# KiCad board pq-register.kicad_pcb (continued)
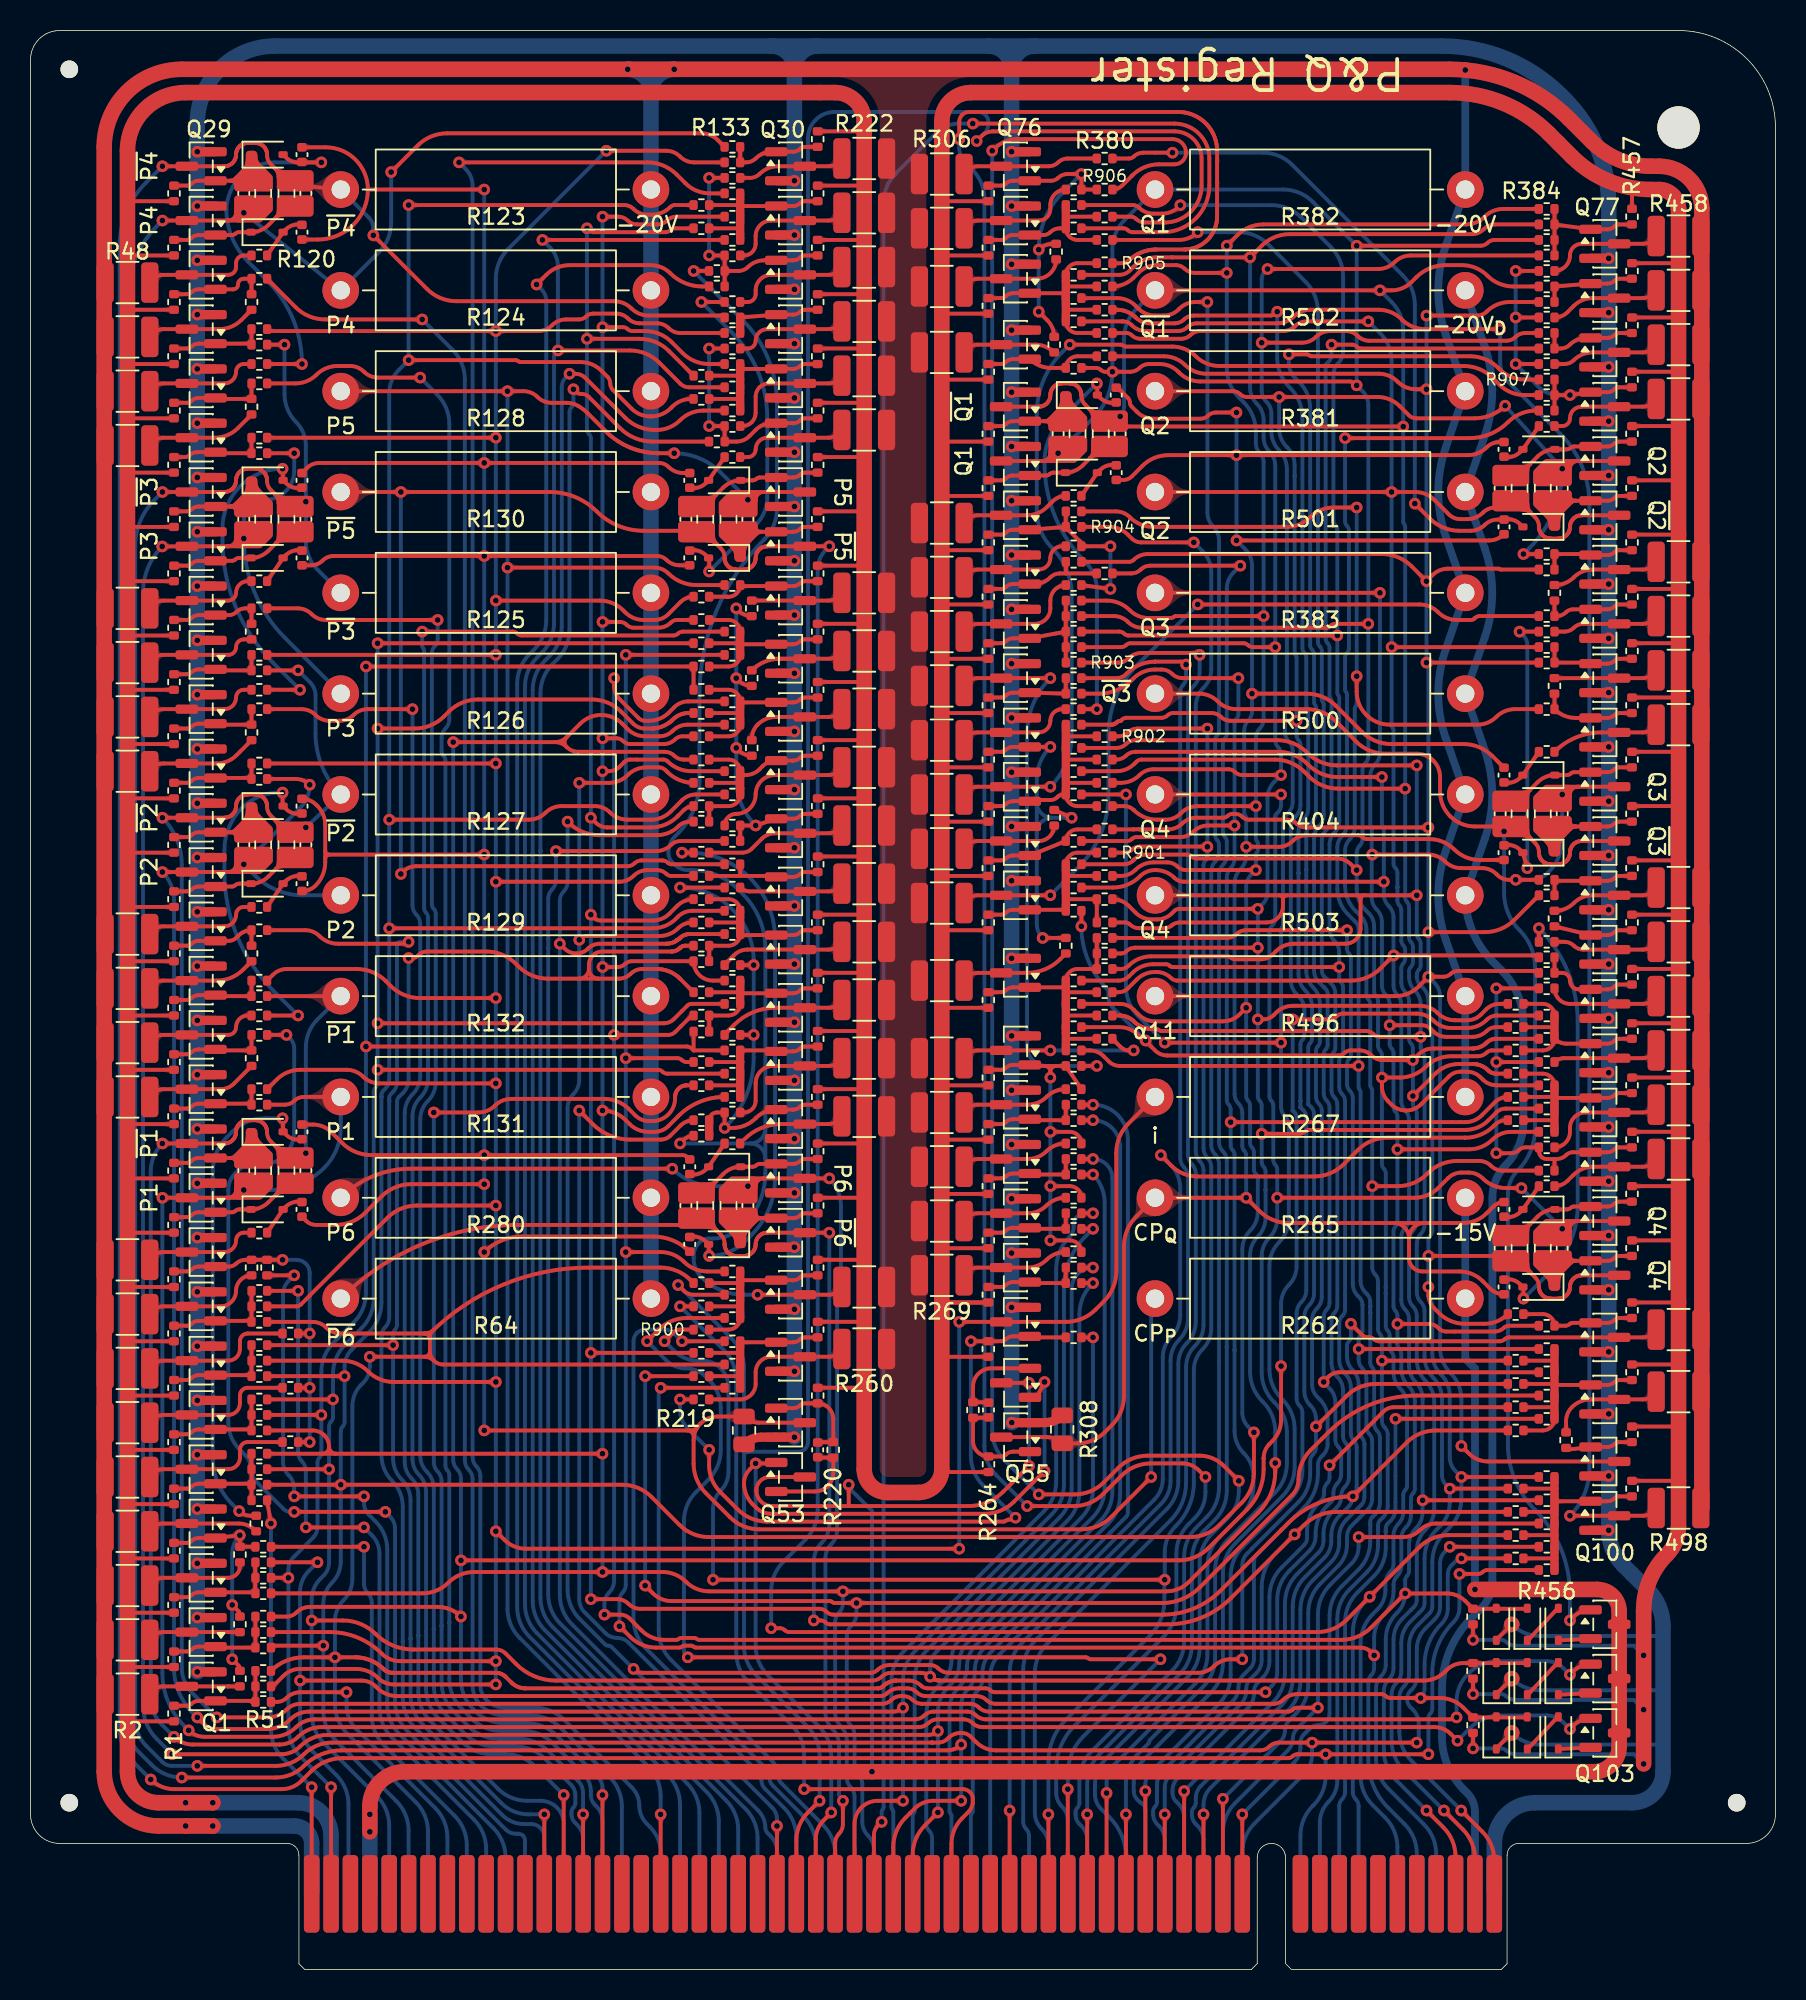
[diagram p0: board, top side]
## Routing (per net, layer and track width the routed paths; a pad name or vN(x,y) marks a point on that pad's centre or on a via; arc(x,y) is an arc through that point) (continued)
~{P4c}: length 116.6
  Top w0.254: R114.1 17.35,103.89 arc(18.1,104.03) 18.73,104.46 arc(19.37,104.88) 20.11,105.03 20.92,105.03 arc(21.42,104.93) 21.84,104.65 arc(22.27,104.37) 22.76,104.27 v1(25.53,104.27)
  Bottom w0.254: 37.47,4.95 37.47,9.75 arc(37.37,10.25) 37.08,10.67 36.96,10.79 arc(36.77,11.08) 36.7,11.41 36.7,11.68 arc(36.59,12.27) 36.25,12.77 34.2,14.82 arc(33.32,15.41) 32.27,15.62 30.83,15.62 arc(29.79,15.83) 28.91,16.42 28.23,17.1 arc(27.64,17.98) 27.43,19.02 27.43,22.73 27.43,32.39 arc(27.4,32.55) 27.3,32.69 arc(27.21,32.83) 27.18,33 27.18,79.2 arc(27.14,79.36) 27.05,79.5 arc(26.96,79.64) 26.92,79.81 26.92,80.67 arc(26.99,81) 27.18,81.28 arc(27.37,81.56) 27.43,81.89 27.43,101.24 arc(27.22,102.28) 26.64,103.16 v1(25.53,104.27)
~{P4d}: length 121.3
  Top w0.254: R119.1 17.37,108.87 arc(18.25,108.28) 19.29,108.08 v1(25.65,108.08)
  Bottom w0.254: 38.73,4.95 38.73,10.68 arc(38.53,11.73) 37.94,12.61 34.71,15.84 arc(33.82,16.43) 32.78,16.64 31.05,16.64 arc(30.22,16.8) 29.51,17.27 arc(29.1,17.89) 28.96,18.62 28.96,32.12 arc(28.89,32.45) 28.7,32.73 arc(28.51,33.01) 28.45,33.35 28.45,104.16 arc(28.24,105.2) 27.65,106.08 v1(25.65,108.08)
~{P4}: length 261.7
  Top w0.254: 16,117.98 15.73,118.25 arc(15.56,118.52) 15.49,118.83 15.49,118.85 arc(15.49,118.87) 15.49,118.89 arc(15.49,118.91) 15.49,118.92 15.49,118.94 arc(15.49,118.98) 15.48,119.01 arc(15.47,119.05) 15.46,119.08 arc(15.45,119.11) 15.44,119.15 arc(15.43,119.18) 15.41,119.21 arc(15.4,119.24) 15.38,119.27 arc(15.36,119.3) 15.34,119.33 arc(15.32,119.36) 15.29,119.39 arc(15.27,119.41) 15.25,119.43 arc(15.22,119.46) 15.19,119.48 arc(15.16,119.5) 15.13,119.52 arc(15.1,119.54) 15.07,119.55 arc(15.04,119.57) 15.01,119.58 arc(14.97,119.59) 14.94,119.6 arc(14.91,119.61) 14.87,119.62 arc(14.84,119.63) 14.8,119.63 14.78,119.63 arc(14.77,119.63) 14.75,119.63 arc(14.73,119.63) 14.71,119.63 14.24,119.63 arc(14.22,119.63) 14.21,119.63 arc(14.19,119.63) 14.17,119.63 14.15,119.63 arc(14.12,119.63) 14.08,119.62 arc(14.05,119.61) 14.02,119.6 arc(13.98,119.59) 13.95,119.58 arc(13.92,119.57) 13.88,119.55 arc(13.85,119.54) 13.82,119.52 arc(13.79,119.5) 13.76,119.48 arc(13.74,119.46) 13.71,119.43 arc(13.69,119.41) 13.66,119.39 arc(13.64,119.36) 13.62,119.33 arc(13.6,119.3) 13.58,119.27 arc(13.56,119.24) 13.54,119.21 arc(13.53,119.18) 13.51,119.15 arc(13.5,119.11) 13.49,119.08 arc(13.48,119.05) 13.48,119.01 arc(13.47,118.98) 13.47,118.94 arc(13.46,118.91) 13.46,118.87 arc(13.46,118.84) 13.46,118.8 arc(13.45,118.77) 13.45,118.73 arc(13.44,118.7) 13.43,118.66 arc(13.42,118.63) 13.41,118.6 arc(13.4,118.56) 13.38,118.53 arc(13.37,118.5) 13.35,118.47 arc(13.33,118.44) 13.31,118.41 arc(13.29,118.39) 13.26,118.36 arc(13.24,118.33) 13.21,118.31 arc(13.19,118.29) 13.16,118.26 arc(13.13,118.24) 13.1,118.22 arc(13.07,118.21) 13.04,118.19 arc(13.01,118.18) 12.98,118.16 arc(12.94,118.15) 12.91,118.14 arc(12.87,118.13) 12.84,118.12 arc(12.81,118.12) 12.77,118.11 12.75,118.11 arc(12.74,118.11) 12.72,118.11 arc(12.7,118.11) 12.68,118.11 Q29.3 v1(8.64,118.11) ; 16,117.98 16.64,117.35 ; 16,117.98 arc(16.19,117.7) 16.26,117.37 16.26,117.35 ; 16,117.98 arc(16.28,117.8) 16.62,117.73 ; R456.1 95.43,26.16 arc(95.26,26.13) 95.12,26.03 arc(94.98,25.94) 94.82,25.91 v1(93.6,25.91) ; R145.1 45.4,108.27 arc(45.33,108.31) 45.25,108.33 40.49,108.33 arc(39.88,108.45) 39.36,108.8 arc(38.84,109.15) 38.22,109.27 27.9,109.27 arc(26.86,109.48) 25.97,110.07 v1(22.45,113.59) ; v1(91.57,14.1) v1(84.84,14.1) 82.98,14.1 arc(82.82,14.06) 82.68,13.97 arc(82.54,13.88) 82.37,13.84 20.45,13.84 arc(19.33,13.62) 18.38,12.99 17.75,12.35 arc(17.15,11.95) 16.44,11.81 9.41,11.81 arc(8.58,11.98) v1(7.87,12.45) ; R123.2 C13.2
  Bottom w0.254: v1(91.57,14.1) 91.57,16.46 arc(91.6,16.62) 91.69,16.76 arc(91.79,16.9) 91.82,17.07 91.82,19.41 arc(92.18,21.21) 93.2,22.75 arc(93.5,23.18) 93.6,23.7 v1(93.6,25.91) ; v1(84.84,14.1) 84.84,12.68 arc(84.63,11.64) 84.04,10.76 83.98,10.7 arc(83.39,9.82) 83.18,8.78 83.18,4.95 ; v1(22.45,113.59) 22.45,114.02 arc(22.37,114.42) 22.15,114.76 R123.2 ; v1(8.64,118.11) 7.55,117.02 arc(6.29,115.13) 5.84,112.9 5.84,15.75 arc(6.08,14.57) 6.74,13.58 v1(7.87,12.45)
~{P5c}: length 122.5
  Top w0.254: R143.1 43.99,110.24 arc(42.87,110.46) 41.91,111.1 arc(41.32,111.49) 40.62,111.63 35.32,111.63 arc(34.49,111.47) 33.78,111 v1(33.15,110.36)
  Bottom w0.254: v1(33.15,110.36) 33.46,110.05 arc(33.7,109.69) 33.78,109.28 33.78,88.38 arc(33.57,87.33) 32.99,86.45 32.67,86.14 arc(32.08,85.26) 31.88,84.22 31.88,74.55 ; 31.88,74.55 31.88,74.55 ; 31.88,74.55 31.88,23.73 arc(32.08,22.69) 32.67,21.81 41.75,12.73 arc(42.34,11.85) 42.55,10.81 42.55,4.95 ; 31.88,74.55 31.88,74.55 ; 31.88,74.55 arc(31.88,74.55) 31.88,74.55 ; 31.88,74.55 arc(31.88,74.55) 31.88,74.55
~{P5d}: length 114.4
  Top w0.254: v1(35.56,103.51) 35.72,103.35 arc(35.89,103.23) 36.1,103.19 36.13,103.19 arc(36.36,103.14) 36.56,103.01 38.61,100.96 arc(39.59,100.31) 40.75,100.08 R154.1
  Bottom w0.254: 33.4,73.28 33.4,83.59 arc(33.61,84.63) 34.2,85.51 34.51,85.82 arc(35.1,86.7) 35.31,87.74 35.31,102.02 arc(35.34,102.18) 35.43,102.32 arc(35.53,102.47) 35.56,102.63 v1(35.56,103.51) ; 33.4,73.28 33.4,73.28 ; 33.4,73.28 33.4,73.28 ; 33.4,73.28 arc(33.4,73.28) 33.4,73.28 ; 33.4,73.28 arc(33.4,73.28) 33.4,73.28 ; 33.4,73.28 33.4,24.36 arc(33.61,23.32) 34.2,22.44 45.56,11.08 arc(46.15,10.19) 46.36,9.15 46.36,4.95
~{P5}: length 224.8
  Top w0.254: v1(52.32,93.22) Q37.3 48.28,93.22 arc(48.26,93.22) 48.24,93.22 arc(48.22,93.22) 48.21,93.22 48.19,93.21 arc(48.15,93.21) 48.12,93.2 arc(48.09,93.2) 48.05,93.19 arc(48.02,93.18) 47.98,93.17 arc(47.95,93.15) 47.92,93.14 arc(47.89,93.12) 47.86,93.1 arc(47.83,93.08) 47.8,93.06 arc(47.77,93.04) 47.75,93.02 arc(47.72,92.99) 47.7,92.97 arc(47.67,92.94) 47.65,92.92 arc(47.63,92.89) 47.61,92.86 arc(47.59,92.83) 47.58,92.8 arc(47.56,92.76) 47.55,92.73 arc(47.54,92.7) 47.53,92.66 arc(47.52,92.63) 47.51,92.6 arc(47.51,92.56) 47.5,92.53 arc(47.5,92.49) 47.5,92.46 arc(47.5,92.42) 47.49,92.39 arc(47.49,92.35) 47.48,92.32 arc(47.48,92.28) 47.47,92.25 arc(47.46,92.21) 47.45,92.18 arc(47.43,92.15) 47.42,92.12 arc(47.4,92.09) 47.38,92.06 arc(47.36,92.03) 47.34,92 arc(47.32,91.97) 47.3,91.94 arc(47.27,91.92) 47.25,91.89 arc(47.22,91.87) 47.2,91.85 arc(47.17,91.83) 47.14,91.81 arc(47.11,91.79) 47.08,91.77 arc(47.04,91.76) 47.01,91.75 arc(46.98,91.73) 46.94,91.72 arc(46.91,91.71) 46.88,91.71 arc(46.84,91.7) 46.81,91.7 46.79,91.7 arc(46.77,91.69) 46.75,91.69 arc(46.74,91.69) 46.72,91.69 46.25,91.69 arc(46.23,91.69) 46.21,91.69 arc(46.19,91.69) 46.18,91.7 46.16,91.7 arc(46.12,91.7) 46.09,91.71 arc(46.05,91.71) 46.02,91.72 arc(45.99,91.73) 45.95,91.75 arc(45.92,91.76) 45.89,91.77 arc(45.86,91.79) 45.83,91.81 arc(45.8,91.83) 45.77,91.85 arc(45.74,91.87) 45.71,91.89 arc(45.69,91.92) 45.67,91.94 arc(45.64,91.97) 45.62,92 arc(45.6,92.03) 45.58,92.06 arc(45.56,92.09) 45.55,92.12 arc(45.53,92.15) 45.52,92.18 arc(45.51,92.21) 45.5,92.25 arc(45.49,92.28) 45.48,92.32 arc(45.47,92.35) 45.47,92.39 45.47,92.4 arc(45.47,92.42) 45.47,92.44 arc(45.47,92.46) 45.47,92.47 45.47,92.5 arc(45.4,92.81) 45.23,93.08 44.96,93.34 ; 44.7,93.98 44.7,93.96 arc(44.77,93.63) 44.96,93.34 ; R453.1 92.88,28.45 arc(91.84,28.24) 90.96,27.65 v1(87.72,24.41) 86.2,22.89 arc(85.32,22.31) 84.28,22.1 49.71,22.1 arc(49.54,22.13) 49.4,22.22 arc(49.26,22.32) 49.1,22.35 v1(48.51,22.35) ; C17.2 42.93,93.85 ; 42.67,94.23 40.15,94.23 arc(38.49,94.56) 37.08,95.5 arc(35.68,96.44) 34.02,96.77 v1(24.26,96.77) R130.2 ; 44.96,93.34 44.88,93.42 ; 44.96,93.34 44.32,93.98 ; 44.96,93.34 arc(44.68,93.53) 44.34,93.6 44.32,93.6 ; R182.1 41.98,72.39 arc(41.86,72.41) 41.75,72.49 arc(41.58,72.6) 41.37,72.64 40.03,72.64 arc(39.78,72.59) 39.57,72.45 arc(39.35,72.31) 39.11,72.26 25.25,72.26 arc(24.8,72.17) 24.42,71.92 v1(24.26,71.75) 24.32,71.75 arc(24.38,71.77) 24.43,71.8
  Bottom w0.254: v1(48.51,22.35) 48.51,24.78 arc(48.72,25.82) 49.31,26.7 50.77,28.16 arc(51.35,29.04) 51.56,30.08 51.56,91.68 arc(51.7,92.4) 52.11,93 v1(52.32,93.22) ; 87.7,24.39 87.72,24.41 v1(87.72,24.41) 87.49,24.19 arc(86.84,23.21) 86.61,22.06 86.61,11.62 arc(86.66,11.37) 86.8,11.16 arc(86.95,10.95) 86.99,10.7 86.99,4.95 ; v1(24.26,96.77) v1(24.26,71.75)
~{P6c}: length 85.1
  Top w0.254: R180.1 42.57,73.91 arc(42.24,73.85) 41.96,73.66 arc(41.51,73.36) 40.98,73.25 v1(34.42,73.25)
  Bottom w0.254: 33.91,67.5 33.91,67.5 ; 33.91,67.5 33.91,66.87 ; 33.91,67.5 33.91,67.5 ; 33.91,67.5 arc(33.91,67.5) 33.91,67.5 ; 33.91,67.5 arc(33.91,67.5) 33.91,67.5 ; 33.91,67.5 33.91,70.13 arc(33.98,70.46) 34.16,70.74 arc(34.35,71.02) 34.42,71.35 v1(34.42,73.25) ; 33.91,66.87 33.91,66.87 ; 33.91,66.87 33.91,66.87 ; 33.91,66.87 33.91,24.57 arc(34.12,23.53) 34.71,22.65 46.83,10.52 arc(47.42,9.64) 47.62,8.6 47.62,4.95 ; 33.91,66.87 arc(33.91,66.87) 33.91,66.87 ; 33.91,66.87 arc(33.91,66.87) 33.91,66.87
~{P6d}: length 66
  Top w0.254: v1(35.94,56.26) 36.83,55.37 arc(37.96,54.62) 39.28,54.36 41.3,54.36 arc(41.63,54.42) 41.91,54.61 42.57,55.27 arc(42.96,55.53) R204.1
  Bottom w0.254: 50.16,4.95 50.16,8.65 arc(49.96,9.69) 49.37,10.58 48.1,11.84 arc(47.94,12.09) 47.88,12.38 arc(47.82,12.68) 47.65,12.92 39.18,21.4 arc(38.83,21.64) 38.42,21.72 arc(38.01,21.8) 37.66,22.03 36.3,23.39 arc(36.03,23.79) 35.94,24.26 v1(35.94,56.26)
~{P6}: length 137.1
  Top w0.254: v1(82.8,28.5) 78.64,24.33 arc(76.73,23.05) 74.47,22.61 52.38,22.61 arc(52.21,22.64) 52.07,22.73 arc(51.93,22.83) 51.76,22.86 v1(51.31,22.86) ; v1(82.8,28.5) 83.39,29.08 arc(84.37,29.74) 85.53,29.97 R451.1 ; v1(82.8,28.5) 82.98,28.5 ; v1(82.8,28.5) 82.93,28.37 ; 44.96,48.39 44.32,49.02 ; 44.96,48.39 44.88,48.46 ; 44.96,48.39 45.23,48.12 arc(45.4,47.85) 45.47,47.54 45.47,47.52 arc(45.47,47.5) 45.47,47.48 arc(45.47,47.46) 45.47,47.45 45.47,47.43 arc(45.47,47.39) 45.48,47.36 arc(45.49,47.32) 45.5,47.29 arc(45.51,47.26) 45.52,47.22 arc(45.53,47.19) 45.55,47.16 arc(45.56,47.13) 45.58,47.1 arc(45.6,47.07) 45.62,47.04 arc(45.64,47.01) 45.67,46.98 arc(45.69,46.96) 45.71,46.94 arc(45.74,46.91) 45.77,46.89 arc(45.8,46.87) 45.83,46.85 arc(45.86,46.83) 45.89,46.82 arc(45.92,46.8) 45.95,46.79 arc(45.99,46.78) 46.02,46.77 arc(46.05,46.76) 46.09,46.75 arc(46.12,46.74) 46.16,46.74 46.18,46.74 arc(46.19,46.74) 46.21,46.74 arc(46.23,46.74) 46.25,46.74 46.72,46.74 arc(46.74,46.74) 46.75,46.74 arc(46.77,46.74) 46.79,46.74 46.81,46.74 arc(46.84,46.74) 46.88,46.75 arc(46.91,46.76) 46.94,46.77 arc(46.98,46.78) 47.01,46.79 arc(47.04,46.8) 47.08,46.82 arc(47.11,46.83) 47.14,46.85 arc(47.17,46.87) 47.2,46.89 arc(47.22,46.91) 47.25,46.94 arc(47.27,46.96) 47.3,46.98 arc(47.32,47.01) 47.34,47.04 arc(47.36,47.07) 47.38,47.1 arc(47.4,47.13) 47.42,47.16 arc(47.43,47.19) 47.45,47.22 arc(47.46,47.26) 47.47,47.29 arc(47.48,47.32) 47.48,47.36 arc(47.49,47.39) 47.49,47.43 arc(47.5,47.46) 47.5,47.5 arc(47.5,47.53) 47.5,47.57 arc(47.51,47.6) 47.51,47.64 arc(47.52,47.67) 47.53,47.71 arc(47.54,47.74) 47.55,47.77 arc(47.56,47.81) 47.58,47.84 arc(47.59,47.87) 47.61,47.9 arc(47.63,47.93) 47.65,47.96 arc(47.67,47.98) 47.7,48.01 arc(47.72,48.04) 47.75,48.06 arc(47.77,48.08) 47.8,48.11 arc(47.83,48.13) 47.86,48.15 arc(47.89,48.16) 47.92,48.18 arc(47.95,48.19) 47.98,48.21 arc(48.02,48.22) 48.05,48.23 arc(48.09,48.24) 48.12,48.25 arc(48.15,48.25) 48.19,48.26 48.21,48.26 arc(48.22,48.26) 48.24,48.26 arc(48.26,48.26) 48.28,48.26 Q49.3 v1(52.32,48.26) ; 44.96,48.39 arc(44.68,48.57) 44.34,48.64 44.32,48.64 ; 44.96,48.39 arc(44.77,48.67) 44.7,49 44.7,49.02 ; C21.2 42.93,48.89 ; 42.67,48.77 31.97,48.77 arc(25.67,47.51) R64.2 ; v1(74.3,10.16) 74.3,4.95
  Bottom w0.254: v1(51.31,22.86) 51.31,26.71 arc(51.44,27.38) 51.82,27.94 arc(52.19,28.5) 52.32,29.17 v1(52.32,48.26) ; 82.8,28.32 v1(82.8,28.5) 81.57,27.26 arc(80.88,26.24) 80.64,25.04 80.64,20.27 arc(80.55,19.8) 80.29,19.41 79.91,19.03 79.91,19.03 arc(79.7,18.72) 79.63,18.36 79.63,18.24 arc(79.54,17.78) 79.27,17.38 74.64,12.74 arc(74.63,12.74) 74.63,12.74 arc(74.38,12.36) 74.3,11.92 v1(74.3,10.16)
~{Q1d}: length 101.4
  Top w0.254: R904.1 70.66,94.49 arc(71.32,94.36) 71.88,93.98 72.14,93.73 arc(72.42,93.54) 72.75,93.47 v1(76.2,93.47)
  Bottom w0.254: 66.67,4.95 66.67,8.13 arc(66.56,8.72) 66.23,9.21 arc(65.9,9.7) 65.79,10.28 65.79,19.4 arc(65.99,20.44) 66.58,21.33 74.67,29.42 arc(75.43,30.55) 75.69,31.88 75.69,39.45 arc(75.84,40.2) 76.26,40.83 arc(76.69,41.47) 76.83,42.21 76.83,52.34 arc(76.77,52.67) 76.58,52.96 arc(76.39,53.24) 76.33,53.57 76.33,82.72 arc(76.46,83.38) 76.84,83.95 arc(77.21,84.51) 77.34,85.17 77.34,91.52 arc(77.19,92.27) 76.77,92.9 v1(76.2,93.47)
~{Q1}: length 220.6
  Top w0.254: v1(92.96,31.5) R449.1 ; Q72.3 66.02,102.36 arc(66.04,102.36) 66.06,102.36 arc(66.08,102.36) 66.09,102.36 66.11,102.37 arc(66.15,102.37) 66.18,102.38 arc(66.21,102.38) 66.25,102.39 arc(66.28,102.4) 66.32,102.41 arc(66.35,102.43) 66.38,102.44 arc(66.41,102.46) 66.44,102.48 arc(66.47,102.5) 66.5,102.52 arc(66.53,102.54) 66.55,102.56 arc(66.58,102.59) 66.6,102.61 arc(66.63,102.64) 66.65,102.66 arc(66.67,102.69) 66.69,102.72 arc(66.71,102.75) 66.72,102.78 arc(66.74,102.82) 66.75,102.85 arc(66.76,102.88) 66.77,102.92 arc(66.78,102.95) 66.79,102.98 arc(66.79,103.02) 66.8,103.05 arc(66.8,103.09) 66.8,103.12 arc(66.8,103.16) 66.81,103.19 arc(66.81,103.23) 66.82,103.26 arc(66.82,103.3) 66.83,103.33 arc(66.84,103.37) 66.85,103.4 arc(66.87,103.43) 66.88,103.46 arc(66.9,103.49) 66.92,103.52 arc(66.94,103.55) 66.96,103.58 arc(66.98,103.61) 67,103.64 arc(67.03,103.66) 67.05,103.69 arc(67.08,103.71) 67.1,103.73 arc(67.13,103.75) 67.16,103.77 arc(67.19,103.79) 67.22,103.81 arc(67.26,103.82) 67.29,103.83 arc(67.32,103.85) 67.36,103.86 arc(67.39,103.87) 67.42,103.87 arc(67.46,103.88) 67.49,103.88 67.51,103.88 arc(67.53,103.89) 67.55,103.89 arc(67.56,103.89) 67.58,103.89 68.05,103.89 arc(68.07,103.89) 68.09,103.89 arc(68.11,103.89) 68.12,103.88 68.14,103.88 arc(68.18,103.88) 68.21,103.87 arc(68.25,103.87) 68.28,103.86 arc(68.31,103.85) 68.35,103.83 arc(68.38,103.82) 68.41,103.81 arc(68.44,103.79) 68.47,103.77 arc(68.5,103.75) 68.53,103.73 arc(68.56,103.71) 68.59,103.69 arc(68.61,103.66) 68.63,103.64 arc(68.66,103.61) 68.68,103.58 arc(68.7,103.55) 68.72,103.52 arc(68.74,103.49) 68.75,103.46 arc(68.77,103.43) 68.78,103.4 arc(68.79,103.37) 68.8,103.33 arc(68.81,103.3) 68.82,103.26 arc(68.83,103.23) 68.83,103.19 68.83,103.18 arc(68.83,103.16) 68.83,103.14 arc(68.83,103.12) 68.83,103.11 68.83,103.08 arc(68.9,102.77) 69.07,102.5 69.34,102.23 ; R502.2 v1(88.39,109.98) 89.15,109.98 arc(89.86,110.12) 90.45,110.52 90.77,110.84 arc(91.65,111.43) 92.69,111.63 93.75,111.63 arc(94.67,111.45) 95.44,110.93 arc(96.21,110.42) 97.13,110.24 R389.1 ; R326.1 71.32,62.48 arc(71.34,62.48) 71.37,62.48 arc(71.39,62.48) 71.42,62.48 71.45,62.48 arc(71.5,62.47) 71.55,62.47 arc(71.6,62.46) 71.65,62.45 arc(71.7,62.43) 71.75,62.42 arc(71.79,62.4) 71.84,62.38 arc(71.89,62.36) 71.93,62.34 arc(71.98,62.32) 72.02,62.29 arc(72.07,62.26) 72.11,62.24 arc(72.15,62.2) 72.19,62.17 72.21,62.16 arc(72.23,62.14) 72.24,62.12 72.28,62.08 arc(72.3,62.06) 72.32,62.04 72.35,62.03 arc(72.39,61.99) 72.43,61.95 arc(72.48,61.92) 72.53,61.89 arc(72.57,61.86) 72.62,61.83 arc(72.67,61.8) 72.72,61.77 arc(72.77,61.75) 72.83,61.73 arc(72.88,61.71) 72.93,61.69 arc(72.99,61.67) 73.04,61.65 arc(73.1,61.64) 73.15,61.63 arc(73.21,61.62) 73.26,61.61 73.29,61.61 arc(73.32,61.6) 73.35,61.6 73.37,61.6 arc(73.38,61.6) 73.38,61.6 arc(73.38,61.6) 73.39,61.6 73.41,61.6 arc(73.42,61.6) 73.43,61.6 arc(73.43,61.6) 73.44,61.6 73.46,61.59 arc(73.47,61.59) 73.47,61.59 73.78,61.59 arc(73.85,61.57) 73.92,61.53 arc(73.98,61.48) 74.06,61.47 87.49,61.47 arc(87.74,61.42) 87.95,61.28 arc(88.16,61.14) 88.41,61.09 v1(91.06,61.09) ; 94.61,4.95 94.61,7.26 arc(94.41,8.3) 93.82,9.18 v1(92.58,10.41) ; 69.34,102.23 69.42,102.16 ; 69.34,102.23 69.98,101.6 ; 69.34,102.23 arc(69.53,101.95) 69.6,101.62 69.6,101.6 ; 69.34,102.23 arc(69.62,102.05) 69.96,101.98 69.98,101.98 ; v1(90.04,77.34) 85.67,77.34 arc(84.63,77.55) 83.75,78.14 83.43,78.45 arc(82.55,79.04) 81.51,79.25 72.78,79.25 arc(72.6,79.21) 72.45,79.11 72.31,78.97 arc(71.77,78.61) 71.13,78.49 R346.1 ; v1(89.92,101.06) C27.2 v1(71.37,101.73)
  Bottom w0.254: R502.2 72.42,108.75 arc(71.84,107.86) 71.63,106.82 71.63,102.34 arc(71.56,102.01) v1(71.37,101.73) ; v1(92.58,10.41) 89.95,13.05 arc(89.36,13.93) 89.15,14.97 89.15,18.01 arc(89.24,18.42) 89.47,18.77 arc(89.71,19.12) 89.79,19.54 89.79,21.38 arc(89.94,22.13) 90.36,22.76 90.93,23.33 arc(90.93,23.34) 90.93,23.34 arc(90.93,23.34) 90.93,23.34 91.12,23.53 arc(91.26,23.74) 91.31,23.99 91.31,26.9 arc(91.52,27.94) 92.11,28.82 92.32,29.03 arc(92.8,29.74) 92.96,30.59 v1(92.96,31.5) 92.71,31.75 arc(92.52,32.03) 92.46,32.36 92.46,37.38 arc(92.31,38.13) 91.88,38.76 arc(91.46,39.39) 91.31,40.14 91.31,43.12 arc(91.25,43.45) 91.06,43.73 arc(90.87,44.01) 90.8,44.34 90.8,47.55 arc(90.87,47.88) 91.06,48.17 arc(91.25,48.45) 91.31,48.78 91.31,59.76 arc(91.28,59.93) 91.19,60.07 arc(91.09,60.21) 91.06,60.38 v1(91.06,61.09) 91.06,63.2 arc(90.96,63.69) 90.68,64.12 90.67,64.13 arc(90.39,64.54) 90.3,65.02 90.3,65.37 arc(90.33,65.54) 90.42,65.68 arc(90.52,65.82) 90.55,65.98 90.55,66.99 arc(90.52,67.15) 90.42,67.29 arc(90.33,67.43) 90.3,67.6 90.3,69.61 arc(90.26,69.77) 90.17,69.92 arc(90.08,70.06) 90.04,70.22 v1(90.04,77.34) 90.04,94.53 arc(90.03,94.61) 89.98,94.68 arc(89.93,94.75) 89.92,94.83 v1(89.92,101.06) 89.92,107.38 arc(89.72,108.38) 89.15,109.22 v1(88.39,109.98)
~{Q2a}: length 167.5
  Top w0.254: v1(65.28,30.35) 68.34,30.35 arc(69.38,30.56) 70.27,31.15 71.47,32.35 arc(72.35,32.94) 73.39,33.15 75.44,33.15 arc(76.03,33.03) 76.52,32.7 v1(76.96,32.26) ; v1(60.83,119.89) 60.83,121.02 arc(60.88,121.26) 61.02,121.48 arc(61.23,121.62) 61.48,121.67 75.15,121.67 arc(75.18,121.67) 75.22,121.67 arc(75.26,121.67) 75.29,121.66 75.33,121.66 arc(75.4,121.66) 75.47,121.65 arc(75.54,121.64) 75.61,121.63 arc(75.68,121.62) 75.75,121.6 arc(75.82,121.59) 75.89,121.57 arc(75.96,121.55) 76.02,121.52 arc(76.09,121.5) 76.16,121.47 arc(76.22,121.44) 76.29,121.41 arc(76.35,121.38) 76.41,121.35 arc(76.47,121.31) 76.54,121.28 arc(76.59,121.24) 76.65,121.2 arc(76.71,121.16) 76.77,121.11 arc(76.82,121.07) 76.88,121.02 arc(76.93,120.97) 76.98,120.92 arc(77.03,120.87) 77.08,120.82 arc(77.12,120.76) 77.17,120.71 arc(77.21,120.65) 77.26,120.6 arc(77.3,120.54) 77.33,120.48 arc(77.37,120.42) 77.41,120.35 arc(77.44,120.29) 77.47,120.23 arc(77.5,120.16) 77.53,120.1 arc(77.56,120.03) 77.58,119.96 arc(77.6,119.9) 77.62,119.83 arc(77.64,119.76) 77.66,119.69 arc(77.67,119.62) 77.69,119.55 arc(77.7,119.48) 77.71,119.41 arc(77.71,119.34) 77.72,119.27 77.72,119.23 arc(77.72,119.2) 77.72,119.16 arc(77.72,119.13) 77.72,119.09 77.72,118.96 arc(77.73,118.79) 77.73,118.62 77.74,118.43 arc(77.73,118.42) 77.73,118.42 arc(77.73,118.41) 77.72,118.4 77.72,117.06 arc(77.73,117.05) 77.73,117.04 arc(77.73,117.04) 77.73,117.03 77.73,116.84 arc(77.73,116.65) 77.72,116.45 77.72,114.84 arc(77.72,114.81) 77.72,114.78 arc(77.72,114.74) 77.72,114.71 77.72,114.68 arc(77.71,114.61) 77.71,114.55 arc(77.7,114.48) 77.69,114.42 arc(77.68,114.36) 77.66,114.29 arc(77.64,114.23) 77.63,114.17 arc(77.61,114.11) 77.58,114.05 arc(77.56,113.99) 77.53,113.93 arc(77.51,113.87) 77.48,113.81 arc(77.45,113.75) 77.41,113.7 arc(77.38,113.64) 77.34,113.59 arc(77.31,113.53) 77.27,113.48 arc(77.23,113.43) 77.18,113.38 arc(77.14,113.34) 77.09,113.29 arc(77.05,113.24) 77,113.2 arc(76.95,113.16) 76.9,113.12 arc(76.85,113.08) 76.8,113.04 arc(76.74,113) 76.69,112.97 arc(76.63,112.94) 76.57,112.91 arc(76.52,112.88) 76.46,112.85 arc(76.4,112.82) 76.34,112.8 arc(76.28,112.78) 76.21,112.76 arc(76.15,112.74) 76.09,112.72 arc(76.03,112.71) 75.96,112.7 arc(75.9,112.68) 75.83,112.68 arc(75.77,112.67) 75.71,112.66 75.67,112.66 arc(75.64,112.66) 75.61,112.66 arc(75.58,112.66) 75.54,112.66 73.78,112.66 arc(73.75,112.66) 73.71,112.66 arc(73.67,112.66) 73.64,112.66 73.6,112.65 arc(73.53,112.65) 73.45,112.64 arc(73.38,112.63) 73.31,112.62 arc(73.23,112.61) 73.16,112.59 arc(73.09,112.58) 73.02,112.56 arc(72.95,112.53) 72.88,112.51 arc(72.81,112.49) 72.74,112.46 arc(72.67,112.43) 72.6,112.4 arc(72.54,112.36) 72.47,112.33 arc(72.41,112.29) 72.34,112.25 arc(72.28,112.21) 72.22,112.17 arc(72.16,112.13) 72.1,112.08 arc(72.05,112.04) 71.99,111.99 71.96,111.96 arc(71.93,111.94) 71.91,111.91 71.89,111.9 arc(71.88,111.89) 71.87,111.88 arc(71.86,111.87) 71.85,111.86 71.84,111.85 arc(71.82,111.83) 71.79,111.82 arc(71.77,111.81) 71.74,111.79 arc(71.71,111.78) 71.69,111.78 arc(71.66,111.77) 71.63,111.76 71.62,111.76 arc(71.6,111.76) 71.59,111.76 arc(71.58,111.76) 71.56,111.76 R905.1
  Bottom w0.254: 67.95,4.95 67.95,9.75 arc(67.85,10.25) 67.56,10.67 arc(67.28,11.09) 67.18,11.59 67.18,13.1 arc(67.49,14.63) 68.36,15.93 74.21,21.79 arc(74.84,22.72) 75.06,23.83 75.06,27.24 arc(75.26,28.28) 75.85,29.16 76.26,29.57 arc(76.78,30.34) 76.96,31.26 v1(76.96,32.26) ; v1(65.28,30.35) 63.28,32.35 arc(62.69,33.23) 62.48,34.27 62.48,115.97 arc(62.28,117.01) 61.69,117.89 61.24,118.34 arc(60.94,118.79) 60.83,119.32 v1(60.83,119.89)
~{Q2c}: length 151.5
  Top w0.254: v1(79.15,32) 78.15,33 arc(77.42,33.48) 76.56,33.65 73.18,33.65 arc(72.14,33.45) 71.26,32.86 70.31,31.91 arc(69.43,31.32) 68.39,31.11 v1(66.04,31.11) ; v1(62.99,119.13) 63.04,119.18 ; 63.15,119.27 arc(63.83,119.73) 64.63,119.89 74.8,119.89 arc(75.43,119.63) 75.69,119 arc(75.47,118.46) 74.93,118.24 73.91,118.24 arc(72.98,118.05) 72.18,117.52 71.51,116.85 arc(71.22,116.66) R906.1
  Bottom w0.254: v1(79.15,32) 79.15,31.3 arc(78.96,30.37) 78.44,29.59 77.38,28.53 arc(76.79,27.65) 76.58,26.61 76.58,21.07 arc(76.37,20.02) 75.78,19.14 70.44,13.8 arc(69.91,13) 69.72,12.07 69.72,11.46 arc(69.82,10.96) 70.1,10.54 70.68,9.97 arc(71.47,8.77) 71.76,7.37 ; v1(66.04,31.11) 63.79,33.37 arc(63.2,34.25) 62.99,35.29 v1(62.99,119.13)
~{Q2d}: length 123.7
  Top w0.254: R907.1 97.85,104.14 arc(96.97,104.31) 96.23,104.81 96.14,104.9 arc(95.29,105.47) 94.3,105.66 83.91,105.66 arc(83.83,105.68) 83.76,105.73 arc(83.69,105.77) 83.6,105.79 v1(82.42,105.79)
  Bottom w0.254: v1(82.42,105.79) 82.42,105.22 arc(82.53,104.69) 82.83,104.24 83.12,103.95 arc(83.64,103.18) 83.82,102.26 83.82,86.75 arc(83.85,86.59) 83.95,86.45 arc(84.04,86.31) 84.07,86.14 84.07,82.98 arc(84.09,82.9) 84.14,82.83 arc(84.18,82.76) 84.2,82.68 84.2,75.86 arc(84.12,75.44) 83.88,75.09 arc(83.65,74.74) 83.57,74.32 83.57,65.4 arc(83.68,64.82) 84.01,64.33 arc(84.34,63.84) 84.45,63.26 84.45,60.77 arc(84.42,60.61) 84.33,60.47 arc(84.23,60.33) 84.2,60.16 84.2,57.16 arc(84.25,56.91) 84.39,56.7 arc(84.53,56.49) 84.58,56.24 84.58,44.07 arc(84.5,43.65) 84.26,43.3 arc(84.03,42.95) 83.95,42.53 83.95,38.31 arc(84.03,37.88) 84.28,37.52 84.45,37.34 arc(84.83,36.78) 84.96,36.11 84.96,34.42 arc(84.88,34.02) 84.66,33.69 84.55,33.57 arc(84.38,33.33) 84.33,33.05 84.33,32.46 arc(84.09,31.27) 83.41,30.26 80.52,27.36 arc(80.52,27.36) 80.52,27.35 arc(80.52,27.35) 80.51,27.34 80.33,27.16 arc(80.19,26.95) 80.14,26.7 80.14,20.32 arc(80.07,20) 79.9,19.74 79.48,19.32 arc(79.21,18.92) 79.12,18.45 arc(79.03,17.99) 78.76,17.59 74.15,12.98 arc(74.15,12.98) 74.15,12.97 arc(73.88,12.57) 73.79,12.1 73.79,10.97 arc(73.75,10.81) 73.66,10.67 arc(73.57,10.53) 73.53,10.36 73.53,10.16 arc(73.6,9.81) 73.8,9.51 73.91,9.4 arc(74.2,8.98) 74.3,8.48 74.3,4.95
~{Q2}: length 216.6
  Top w0.254: 93.34,4.95 93.34,7.38 arc(93.14,8.42) 92.55,9.31 v1(91.44,10.41) ; v1(73.04,60.85) 72.9,60.85 ; v1(73.04,60.85) arc(73.05,60.82) 73.07,60.79 73.66,60.2 arc(74.03,59.95) 74.46,59.86 85.66,59.86 arc(85.88,59.91) 86.07,60.03 arc(86.25,60.15) 86.47,60.2 87.05,60.2 arc(87.47,60.12) 87.82,59.88 arc(88.17,59.65) 88.59,59.56 v1(90.55,59.56) 90.93,59.94 arc(91.35,60.23) 91.85,60.32 94.43,60.32 arc(94.46,60.33) 94.48,60.33 arc(94.51,60.33) 94.53,60.33 94.56,60.33 arc(94.61,60.33) 94.66,60.34 arc(94.71,60.35) 94.76,60.36 arc(94.81,60.37) 94.86,60.39 arc(94.91,60.41) 94.95,60.42 arc(95,60.44) 95.05,60.47 arc(95.09,60.49) 95.14,60.52 arc(95.18,60.54) 95.22,60.57 arc(95.26,60.6) 95.3,60.64 95.32,60.65 arc(95.34,60.67) 95.36,60.69 95.36,60.69 arc(95.38,60.71) 95.39,60.72 arc(95.41,60.74) 95.42,60.75 95.44,60.76 arc(95.47,60.79) 95.51,60.81 arc(95.54,60.84) 95.58,60.86 arc(95.62,60.88) 95.66,60.89 arc(95.7,60.91) 95.74,60.92 arc(95.78,60.93) 95.82,60.94 arc(95.86,60.95) 95.91,60.96 95.93,60.96 arc(95.95,60.96) 95.97,60.96 arc(95.99,60.96) 96.01,60.96 R423.1 ; v1(73.04,60.85) arc(72.92,60.87) 72.81,60.94 72.52,61.23 arc(71.98,61.59) 71.34,61.72 R325.1 ; 98.3,95.38 98.57,95.11 arc(98.74,94.84) 98.81,94.53 98.81,94.51 arc(98.81,94.49) 98.81,94.47 arc(98.81,94.45) 98.81,94.44 98.81,94.42 arc(98.81,94.38) 98.82,94.35 arc(98.83,94.31) 98.84,94.28 arc(98.85,94.25) 98.86,94.21 arc(98.87,94.18) 98.89,94.15 arc(98.9,94.12) 98.92,94.09 arc(98.94,94.06) 98.96,94.03 arc(98.98,94) 99.01,93.97 arc(99.03,93.95) 99.05,93.93 arc(99.08,93.9) 99.11,93.88 arc(99.14,93.86) 99.17,93.84 arc(99.2,93.82) 99.23,93.81 arc(99.26,93.79) 99.29,93.78 arc(99.33,93.77) 99.36,93.76 arc(99.39,93.75) 99.43,93.74 arc(99.46,93.73) 99.5,93.73 99.52,93.73 arc(99.53,93.73) 99.55,93.73 arc(99.57,93.73) 99.59,93.73 100.06,93.73 arc(100.08,93.73) 100.09,93.73 arc(100.11,93.73) 100.13,93.73 100.15,93.73 arc(100.18,93.73) 100.22,93.74 arc(100.25,93.75) 100.28,93.76 arc(100.32,93.77) 100.35,93.78 arc(100.38,93.79) 100.42,93.81 arc(100.45,93.82) 100.48,93.84 arc(100.51,93.86) 100.54,93.88 arc(100.56,93.9) 100.59,93.93 arc(100.61,93.95) 100.64,93.97 arc(100.66,94) 100.68,94.03 arc(100.7,94.06) 100.72,94.09 arc(100.74,94.12) 100.76,94.15 arc(100.77,94.18) 100.79,94.21 arc(100.8,94.25) 100.81,94.28 arc(100.82,94.31) 100.82,94.35 arc(100.83,94.38) 100.83,94.42 arc(100.84,94.45) 100.84,94.49 arc(100.84,94.52) 100.84,94.56 arc(100.85,94.59) 100.85,94.63 arc(100.86,94.66) 100.87,94.7 arc(100.88,94.73) 100.89,94.76 arc(100.9,94.8) 100.92,94.83 arc(100.93,94.86) 100.95,94.89 arc(100.97,94.92) 100.99,94.95 arc(101.01,94.97) 101.04,95 arc(101.06,95.03) 101.09,95.05 arc(101.11,95.07) 101.14,95.1 arc(101.17,95.12) 101.2,95.14 arc(101.23,95.15) 101.26,95.17 arc(101.29,95.18) 101.32,95.2 arc(101.36,95.21) 101.39,95.22 arc(101.43,95.23) 101.46,95.24 arc(101.49,95.24) 101.53,95.25 101.55,95.25 arc(101.56,95.25) 101.58,95.25 arc(101.6,95.25) 101.62,95.25 Q82.3 ; 98.3,95.38 98.22,95.45 ; 98.3,95.38 97.66,96.01 ; 98.3,95.38 arc(98.02,95.56) 97.68,95.63 97.66,95.63 ; 98.3,95.38 arc(98.11,95.66) 98.04,95.99 98.04,96.01 ; R426.1 96.03,58.67 arc(96.01,58.67) 95.99,58.67 arc(95.97,58.67) 95.96,58.68 95.94,58.68 arc(95.9,58.68) 95.86,58.69 arc(95.83,58.7) 95.79,58.71 arc(95.76,58.72) 95.72,58.73 arc(95.69,58.75) 95.65,58.76 arc(95.62,58.78) 95.59,58.8 arc(95.56,58.82) 95.53,58.85 95.51,58.86 arc(95.5,58.87) 95.49,58.88 arc(95.47,58.9) 95.46,58.91 95.46,58.91 arc(95.44,58.93) 95.42,58.95 95.4,58.97 arc(95.36,59) 95.32,59.03 arc(95.28,59.06) 95.24,59.09 arc(95.2,59.11) 95.15,59.14 arc(95.11,59.16) 95.06,59.18 arc(95.02,59.2) 94.97,59.22 arc(94.92,59.24) 94.87,59.25 arc(94.83,59.26) 94.78,59.28 94.77,59.28 arc(94.73,59.29) 94.69,59.29 94.67,59.3 arc(94.65,59.3) 94.63,59.3 94.61,59.3 arc(94.61,59.3) 94.61,59.3 arc(94.6,59.3) 94.6,59.3 94.55,59.31 arc(94.53,59.31) 94.5,59.31 arc(94.48,59.31) 94.45,59.31 93.56,59.31 arc(92.72,59.14) 92,58.66 v1(90.55,57.21) ; R368.1 71.79,107.19 arc(71.97,107.15) 72.13,107.05 arc(72.39,106.87) 72.71,106.81 75.37,106.81 arc(75.7,106.87) 75.99,107.06 arc(76.27,107.25) 76.6,107.31 82.06,107.31 arc(82.47,107.4) 82.82,107.63 arc(83.18,107.87) 83.59,107.95 v1(87.63,107.95) ; R501.2 v1(89.15,96.77) 90.72,96.77 arc(91.39,96.64) 91.95,96.27 92.9,95.31 arc(93.25,95.08) 93.66,95 94.11,95 arc(94.67,95.11) 95.14,95.43 arc(95.51,95.67) 95.95,95.76 ; v1(68.83,68.33) 68.83,68.33 arc(68.84,68.33) 68.84,68.33 R335.1 ; C31.2 96.27,95.88 ; v1(89.15,86.61) R406.1